# KiCad board rabbit_mask_capacitors.kicad_pcb (continued)
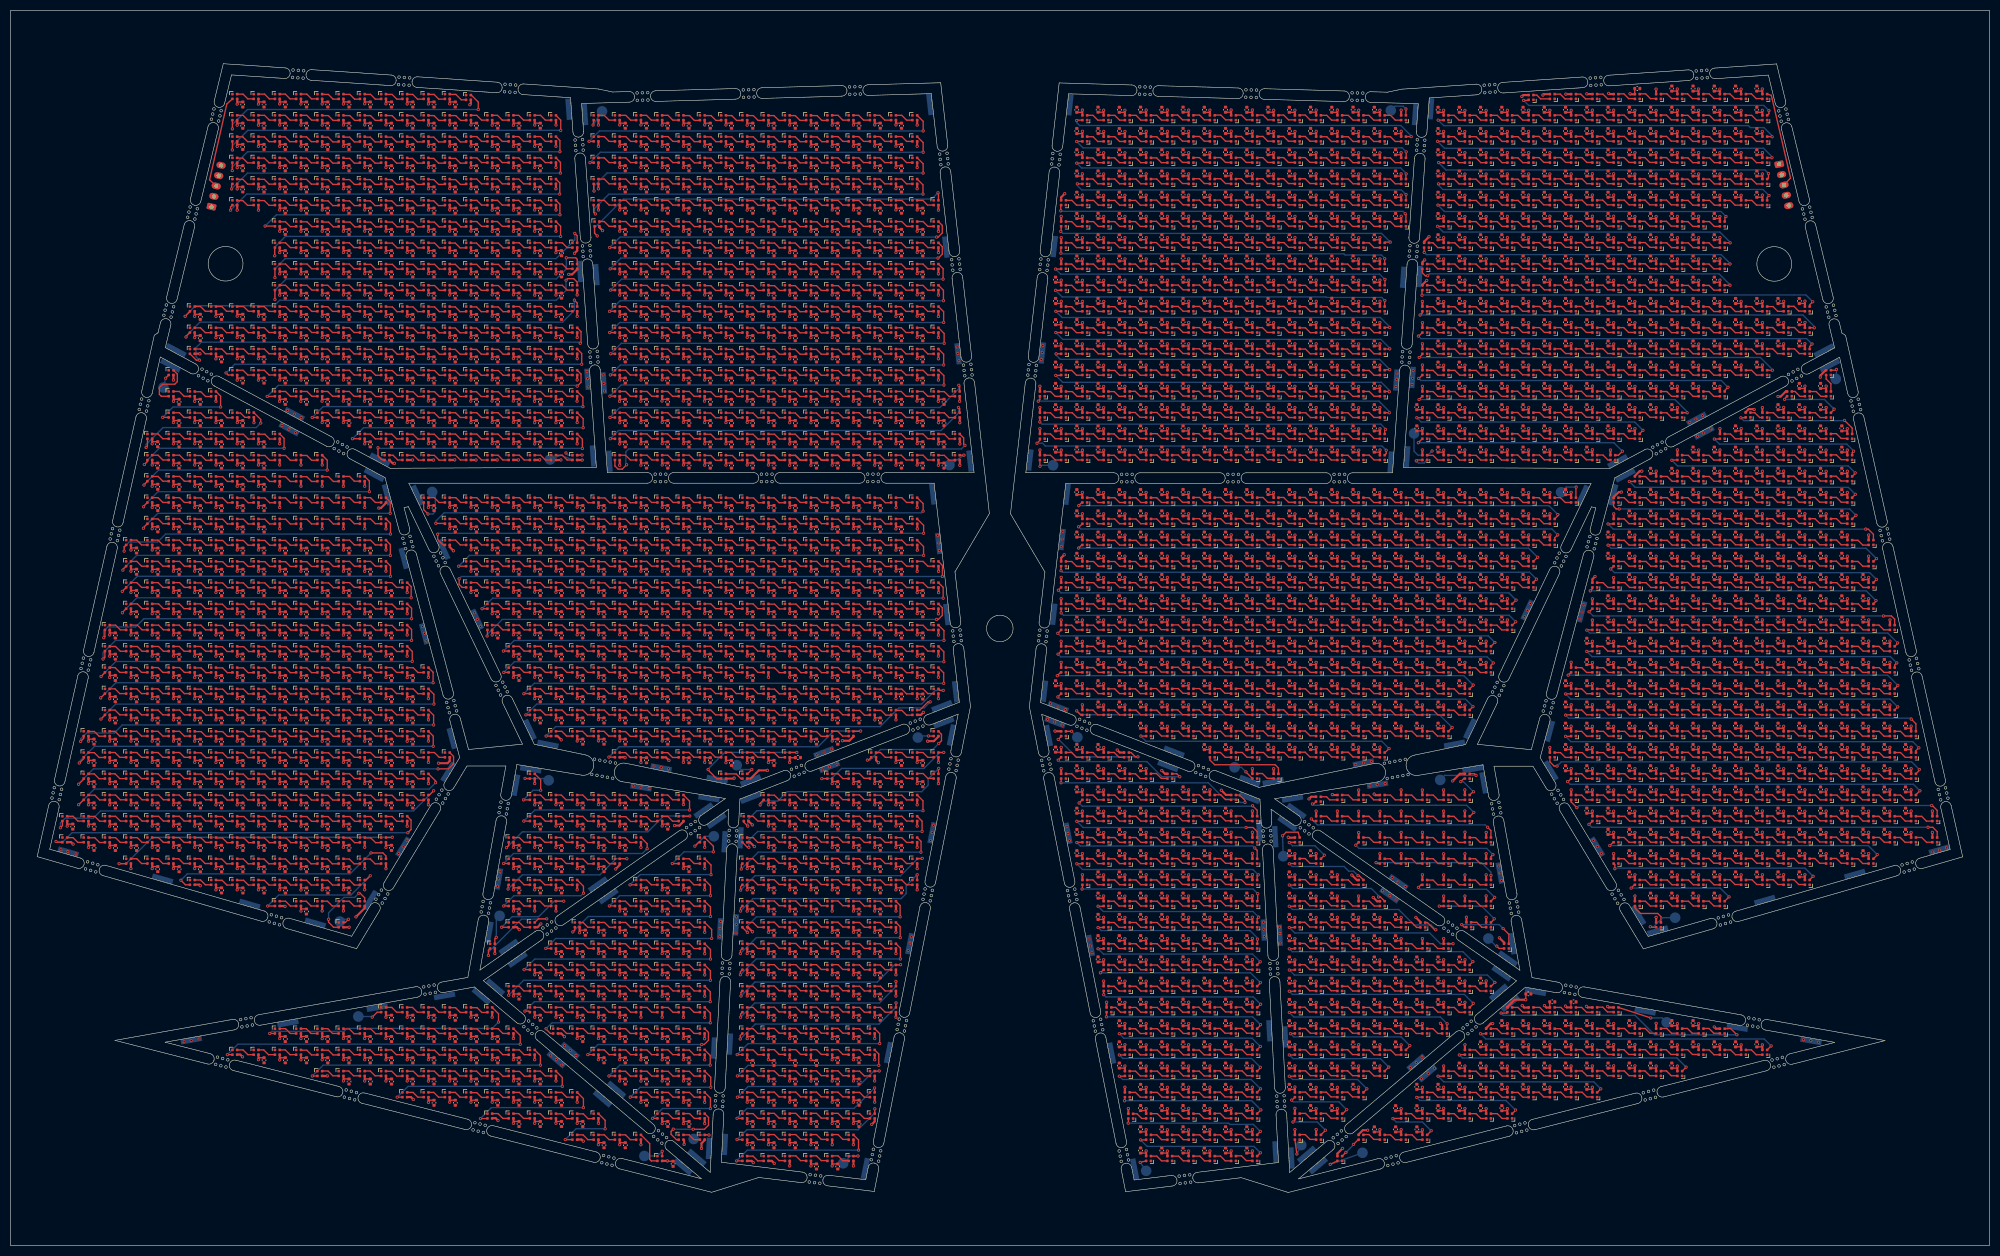
[diagram p0: board, top side]
## Placement (name value [footprint] x y rotation side) (continued)
D1023  SK6812-1515  [LED_SK6812_EC15_1.5x1.5mm]  174.2 96.36 0 top
D1024  SK6812-1515  [LED_SK6812_EC15_1.5x1.5mm]  14.2 92.36 0 top
D1025  SK6812-1515  [LED_SK6812_EC15_1.5x1.5mm]  18.2 92.36 0 top
D1026  SK6812-1515  [LED_SK6812_EC15_1.5x1.5mm]  22.2 92.36 0 top
D1027  SK6812-1515  [LED_SK6812_EC15_1.5x1.5mm]  26.2 92.36 0 top
D1028  SK6812-1515  [LED_SK6812_EC15_1.5x1.5mm]  30.2 92.36 0 top
D1029  SK6812-1515  [LED_SK6812_EC15_1.5x1.5mm]  34.2 92.36 0 top
D1030  SK6812-1515  [LED_SK6812_EC15_1.5x1.5mm]  38.2 92.36 0 top
D1031  SK6812-1515  [LED_SK6812_EC15_1.5x1.5mm]  42.2 92.36 0 top
D1032  SK6812-1515  [LED_SK6812_EC15_1.5x1.5mm]  46.2 92.36 0 top
D1033  SK6812-1515  [LED_SK6812_EC15_1.5x1.5mm]  50.2 92.36 0 top
D1034  SK6812-1515  [LED_SK6812_EC15_1.5x1.5mm]  54.2 92.36 0 top
D1035  SK6812-1515  [LED_SK6812_EC15_1.5x1.5mm]  58.2 92.36 0 top
D1036  SK6812-1515  [LED_SK6812_EC15_1.5x1.5mm]  62.2 92.36 0 top
D1037  SK6812-1515  [LED_SK6812_EC15_1.5x1.5mm]  66.2 92.36 0 top
D1038  SK6812-1515  [LED_SK6812_EC15_1.5x1.5mm]  70.2 92.36 0 top
D1039  SK6812-1515  [LED_SK6812_EC15_1.5x1.5mm]  74.2 92.36 0 top
D1040  SK6812-1515  [LED_SK6812_EC15_1.5x1.5mm]  78.2 92.36 0 top
D1041  SK6812-1515  [LED_SK6812_EC15_1.5x1.5mm]  82.2 92.36 0 top
D1042  SK6812-1515  [LED_SK6812_EC15_1.5x1.5mm]  114.2 92.36 0 top
D1043  SK6812-1515  [LED_SK6812_EC15_1.5x1.5mm]  118.2 92.36 0 top
D1044  SK6812-1515  [LED_SK6812_EC15_1.5x1.5mm]  122.2 92.36 0 top
D1045  SK6812-1515  [LED_SK6812_EC15_1.5x1.5mm]  126.2 92.36 0 top
D1046  SK6812-1515  [LED_SK6812_EC15_1.5x1.5mm]  130.2 92.36 0 top
D1047  SK6812-1515  [LED_SK6812_EC15_1.5x1.5mm]  134.2 92.36 0 top
D1048  SK6812-1515  [LED_SK6812_EC15_1.5x1.5mm]  138.2 92.36 0 top
D1049  SK6812-1515  [LED_SK6812_EC15_1.5x1.5mm]  142.2 92.36 0 top
D1050  SK6812-1515  [LED_SK6812_EC15_1.5x1.5mm]  146.2 92.36 0 top
D1051  SK6812-1515  [LED_SK6812_EC15_1.5x1.5mm]  162.45 92.36 0 top
D1052  SK6812-1515  [LED_SK6812_EC15_1.5x1.5mm]  166.2 92.36 0 top
D1053  SK6812-1515  [LED_SK6812_EC15_1.5x1.5mm]  170.2 92.36 0 top
D1054  SK6812-1515  [LED_SK6812_EC15_1.5x1.5mm]  174.2 92.36 0 top
D1055  SK6812-1515  [LED_SK6812_EC15_1.5x1.5mm]  14.2 88.36 0 top
D1056  SK6812-1515  [LED_SK6812_EC15_1.5x1.5mm]  18.2 88.36 0 top
D1057  SK6812-1515  [LED_SK6812_EC15_1.5x1.5mm]  22.2 88.36 0 top
D1058  SK6812-1515  [LED_SK6812_EC15_1.5x1.5mm]  26.2 88.36 0 top
D1059  SK6812-1515  [LED_SK6812_EC15_1.5x1.5mm]  30.2 88.36 0 top
D1060  SK6812-1515  [LED_SK6812_EC15_1.5x1.5mm]  34.2 88.36 0 top
D1061  SK6812-1515  [LED_SK6812_EC15_1.5x1.5mm]  38.2 88.36 0 top
D1062  SK6812-1515  [LED_SK6812_EC15_1.5x1.5mm]  42.2 88.36 0 top
D1063  SK6812-1515  [LED_SK6812_EC15_1.5x1.5mm]  46.2 88.36 0 top
D1064  SK6812-1515  [LED_SK6812_EC15_1.5x1.5mm]  50.2 88.36 0 top
D1065  SK6812-1515  [LED_SK6812_EC15_1.5x1.5mm]  54.2 88.36 0 top
D1066  SK6812-1515  [LED_SK6812_EC15_1.5x1.5mm]  58.2 88.36 0 top
D1067  SK6812-1515  [LED_SK6812_EC15_1.5x1.5mm]  62.2 88.36 0 top
D1068  SK6812-1515  [LED_SK6812_EC15_1.5x1.5mm]  66.2 88.36 0 top
D1069  SK6812-1515  [LED_SK6812_EC15_1.5x1.5mm]  70.2 88.36 0 top
D1070  SK6812-1515  [LED_SK6812_EC15_1.5x1.5mm]  74.2 88.36 0 top
D1071  SK6812-1515  [LED_SK6812_EC15_1.5x1.5mm]  78.2 88.36 0 top
D1072  SK6812-1515  [LED_SK6812_EC15_1.5x1.5mm]  98.2 88.36 0 top
D1073  SK6812-1515  [LED_SK6812_EC15_1.5x1.5mm]  134.2 88.36 0 top
D1074  SK6812-1515  [LED_SK6812_EC15_1.5x1.5mm]  138.2 88.36 0 top
D1075  SK6812-1515  [LED_SK6812_EC15_1.5x1.5mm]  154.2 88.36 0 top
D1076  SK6812-1515  [LED_SK6812_EC15_1.5x1.5mm]  158.2 88.36 0 top
D1077  SK6812-1515  [LED_SK6812_EC15_1.5x1.5mm]  162.2 88.36 0 top
D1078  SK6812-1515  [LED_SK6812_EC15_1.5x1.5mm]  166.2 88.36 0 top
D1079  SK6812-1515  [LED_SK6812_EC15_1.5x1.5mm]  170.2 88.36 0 top
D1080  SK6812-1515  [LED_SK6812_EC15_1.5x1.5mm]  174.2 88.36 0 top
D1081  SK6812-1515  [LED_SK6812_EC15_1.5x1.5mm]  14.2 84.36 0 top
D1082  SK6812-1515  [LED_SK6812_EC15_1.5x1.5mm]  18.2 84.36 0 top
D1083  SK6812-1515  [LED_SK6812_EC15_1.5x1.5mm]  22.2 84.36 0 top
D1084  SK6812-1515  [LED_SK6812_EC15_1.5x1.5mm]  26.2 84.36 0 top
D1085  SK6812-1515  [LED_SK6812_EC15_1.5x1.5mm]  30.2 84.36 0 top
D1086  SK6812-1515  [LED_SK6812_EC15_1.5x1.5mm]  34.2 84.36 0 top
D1087  SK6812-1515  [LED_SK6812_EC15_1.5x1.5mm]  38.2 84.36 0 top
D1088  SK6812-1515  [LED_SK6812_EC15_1.5x1.5mm]  42.2 84.36 0 top
D1089  SK6812-1515  [LED_SK6812_EC15_1.5x1.5mm]  46.2 84.36 0 top
D1090  SK6812-1515  [LED_SK6812_EC15_1.5x1.5mm]  50.2 84.36 0 top
D1091  SK6812-1515  [LED_SK6812_EC15_1.5x1.5mm]  54.2 84.36 0 top
D1092  SK6812-1515  [LED_SK6812_EC15_1.5x1.5mm]  58.2 84.36 0 top
D1093  SK6812-1515  [LED_SK6812_EC15_1.5x1.5mm]  62.2 84.36 0 top
D1094  SK6812-1515  [LED_SK6812_EC15_1.5x1.5mm]  66.2 84.36 0 top
D1095  SK6812-1515  [LED_SK6812_EC15_1.5x1.5mm]  70.2 84.36 0 top
D1096  SK6812-1515  [LED_SK6812_EC15_1.5x1.5mm]  74.2 84.36 0 top
D1097  SK6812-1515  [LED_SK6812_EC15_1.5x1.5mm]  78.2 84.36 0 top
D1098  SK6812-1515  [LED_SK6812_EC15_1.5x1.5mm]  98.2 84.36 0 top
D1099  SK6812-1515  [LED_SK6812_EC15_1.5x1.5mm]  102.2 84.36 0 top
D1100  SK6812-1515  [LED_SK6812_EC15_1.5x1.5mm]  106.2 84.36 0 top
D1101  SK6812-1515  [LED_SK6812_EC15_1.5x1.5mm]  110.2 84.36 0 top
D1102  SK6812-1515  [LED_SK6812_EC15_1.5x1.5mm]  114.2 84.36 0 top
D1103  SK6812-1515  [LED_SK6812_EC15_1.5x1.5mm]  118.2 84.36 0 top
D1104  SK6812-1515  [LED_SK6812_EC15_1.5x1.5mm]  122.2 84.36 0 top
D1105  SK6812-1515  [LED_SK6812_EC15_1.5x1.5mm]  126.2 84.36 0 top
D1106  SK6812-1515  [LED_SK6812_EC15_1.5x1.5mm]  142.2 84.36 0 top
D1107  SK6812-1515  [LED_SK6812_EC15_1.5x1.5mm]  146.2 84.36 0 top
D1108  SK6812-1515  [LED_SK6812_EC15_1.5x1.5mm]  150.2 84.36 0 top
D1109  SK6812-1515  [LED_SK6812_EC15_1.5x1.5mm]  154.2 84.36 0 top
D1110  SK6812-1515  [LED_SK6812_EC15_1.5x1.5mm]  158.2 84.36 0 top
D1111  SK6812-1515  [LED_SK6812_EC15_1.5x1.5mm]  162.2 84.36 0 top
D1112  SK6812-1515  [LED_SK6812_EC15_1.5x1.5mm]  166.2 84.36 0 top
D1113  SK6812-1515  [LED_SK6812_EC15_1.5x1.5mm]  170.2 84.36 0 top
D1114  SK6812-1515  [LED_SK6812_EC15_1.5x1.5mm]  10.2 80.36 0 top
D1115  SK6812-1515  [LED_SK6812_EC15_1.5x1.5mm]  14.2 80.36 0 top
D1116  SK6812-1515  [LED_SK6812_EC15_1.5x1.5mm]  18.2 80.36 0 top
D1117  SK6812-1515  [LED_SK6812_EC15_1.5x1.5mm]  22.2 80.36 0 top
D1118  SK6812-1515  [LED_SK6812_EC15_1.5x1.5mm]  26.2 80.36 0 top
D1119  SK6812-1515  [LED_SK6812_EC15_1.5x1.5mm]  30.2 80.36 0 top
D1120  SK6812-1515  [LED_SK6812_EC15_1.5x1.5mm]  34.2 80.36 0 top
D1121  SK6812-1515  [LED_SK6812_EC15_1.5x1.5mm]  38.2 80.36 0 top
D1122  SK6812-1515  [LED_SK6812_EC15_1.5x1.5mm]  42.2 80.36 0 top
D1123  SK6812-1515  [LED_SK6812_EC15_1.5x1.5mm]  46.2 80.36 0 top
D1124  SK6812-1515  [LED_SK6812_EC15_1.5x1.5mm]  50.2 80.36 0 top
D1125  SK6812-1515  [LED_SK6812_EC15_1.5x1.5mm]  54.2 80.36 0 top
D1126  SK6812-1515  [LED_SK6812_EC15_1.5x1.5mm]  58.2 80.36 0 top
D1127  SK6812-1515  [LED_SK6812_EC15_1.5x1.5mm]  62.2 80.36 0 top
D1128  SK6812-1515  [LED_SK6812_EC15_1.5x1.5mm]  66.2 80.36 0 top
D1129  SK6812-1515  [LED_SK6812_EC15_1.5x1.5mm]  70.2 80.36 0 top
D1130  SK6812-1515  [LED_SK6812_EC15_1.5x1.5mm]  74.2 80.36 0 top
D1131  SK6812-1515  [LED_SK6812_EC15_1.5x1.5mm]  98.2 80.36 0 top
D1132  SK6812-1515  [LED_SK6812_EC15_1.5x1.5mm]  102.2 80.36 0 top
D1133  SK6812-1515  [LED_SK6812_EC15_1.5x1.5mm]  106.2 80.36 0 top
D1134  SK6812-1515  [LED_SK6812_EC15_1.5x1.5mm]  110.2 80.36 0 top
D1135  SK6812-1515  [LED_SK6812_EC15_1.5x1.5mm]  114.2 80.36 0 top
D1136  SK6812-1515  [LED_SK6812_EC15_1.5x1.5mm]  118.2 80.36 0 top
D1137  SK6812-1515  [LED_SK6812_EC15_1.5x1.5mm]  122.2 80.36 0 top
D1138  SK6812-1515  [LED_SK6812_EC15_1.5x1.5mm]  126.2 80.36 0 top
D1139  SK6812-1515  [LED_SK6812_EC15_1.5x1.5mm]  138.45 80.36 0 top
D1140  SK6812-1515  [LED_SK6812_EC15_1.5x1.5mm]  142.2 80.36 0 top
D1141  SK6812-1515  [LED_SK6812_EC15_1.5x1.5mm]  146.2 80.36 0 top
D1142  SK6812-1515  [LED_SK6812_EC15_1.5x1.5mm]  150.2 80.36 0 top
D1143  SK6812-1515  [LED_SK6812_EC15_1.5x1.5mm]  154.2 80.36 0 top
D1144  SK6812-1515  [LED_SK6812_EC15_1.5x1.5mm]  158.2 80.36 0 top
D1145  SK6812-1515  [LED_SK6812_EC15_1.5x1.5mm]  162.2 80.36 0 top
D1146  SK6812-1515  [LED_SK6812_EC15_1.5x1.5mm]  166.2 80.36 0 top
D1147  SK6812-1515  [LED_SK6812_EC15_1.5x1.5mm]  170.2 80.36 0 top
D1148  SK6812-1515  [LED_SK6812_EC15_1.5x1.5mm]  10.2 76.36 0 top
D1149  SK6812-1515  [LED_SK6812_EC15_1.5x1.5mm]  14.2 76.36 0 top
D1150  SK6812-1515  [LED_SK6812_EC15_1.5x1.5mm]  18.2 76.36 0 top
D1151  SK6812-1515  [LED_SK6812_EC15_1.5x1.5mm]  22.2 76.36 0 top
D1152  SK6812-1515  [LED_SK6812_EC15_1.5x1.5mm]  26.2 76.36 0 top
D1153  SK6812-1515  [LED_SK6812_EC15_1.5x1.5mm]  30.2 76.36 0 top
D1154  SK6812-1515  [LED_SK6812_EC15_1.5x1.5mm]  34.2 76.36 0 top
D1155  SK6812-1515  [LED_SK6812_EC15_1.5x1.5mm]  38.2 76.36 0 top
D1156  SK6812-1515  [LED_SK6812_EC15_1.5x1.5mm]  42.2 76.36 0 top
D1157  SK6812-1515  [LED_SK6812_EC15_1.5x1.5mm]  46.2 76.36 0 top
D1158  SK6812-1515  [LED_SK6812_EC15_1.5x1.5mm]  50.2 76.36 0 top
D1159  SK6812-1515  [LED_SK6812_EC15_1.5x1.5mm]  54.2 76.36 0 top
D1160  SK6812-1515  [LED_SK6812_EC15_1.5x1.5mm]  58.2 76.36 0 top
D1161  SK6812-1515  [LED_SK6812_EC15_1.5x1.5mm]  62.2 76.36 0 top
D1162  SK6812-1515  [LED_SK6812_EC15_1.5x1.5mm]  66.2 76.36 0 top
D1163  SK6812-1515  [LED_SK6812_EC15_1.5x1.5mm]  70.2 76.36 0 top
D1164  SK6812-1515  [LED_SK6812_EC15_1.5x1.5mm]  94.2 76.36 0 top
D1165  SK6812-1515  [LED_SK6812_EC15_1.5x1.5mm]  98.2 76.36 0 top
D1166  SK6812-1515  [LED_SK6812_EC15_1.5x1.5mm]  102.2 76.36 0 top
D1167  SK6812-1515  [LED_SK6812_EC15_1.5x1.5mm]  106.2 76.36 0 top
D1168  SK6812-1515  [LED_SK6812_EC15_1.5x1.5mm]  110.2 76.36 0 top
D1169  SK6812-1515  [LED_SK6812_EC15_1.5x1.5mm]  114.2 76.36 0 top
D1170  SK6812-1515  [LED_SK6812_EC15_1.5x1.5mm]  118.2 76.36 0 top
D1171  SK6812-1515  [LED_SK6812_EC15_1.5x1.5mm]  130.2 76.36 0 top
D1172  SK6812-1515  [LED_SK6812_EC15_1.5x1.5mm]  138.2 76.36 0 top
D1173  SK6812-1515  [LED_SK6812_EC15_1.5x1.5mm]  142.2 76.36 0 top
D1174  SK6812-1515  [LED_SK6812_EC15_1.5x1.5mm]  146.2 76.36 0 top
D1175  SK6812-1515  [LED_SK6812_EC15_1.5x1.5mm]  150.2 76.36 0 top
D1176  SK6812-1515  [LED_SK6812_EC15_1.5x1.5mm]  154.2 76.36 0 top
D1177  SK6812-1515  [LED_SK6812_EC15_1.5x1.5mm]  158.2 76.36 0 top
D1178  SK6812-1515  [LED_SK6812_EC15_1.5x1.5mm]  162.2 76.36 0 top
D1179  SK6812-1515  [LED_SK6812_EC15_1.5x1.5mm]  166.2 76.36 0 top
D1180  SK6812-1515  [LED_SK6812_EC15_1.5x1.5mm]  170.2 76.36 0 top
D1181  SK6812-1515  [LED_SK6812_EC15_1.5x1.5mm]  22.2 72.36 0 top
D1182  SK6812-1515  [LED_SK6812_EC15_1.5x1.5mm]  26.2 72.36 0 top
D1183  SK6812-1515  [LED_SK6812_EC15_1.5x1.5mm]  30.2 72.36 0 top
D1184  SK6812-1515  [LED_SK6812_EC15_1.5x1.5mm]  34.2 72.36 0 top
D1185  SK6812-1515  [LED_SK6812_EC15_1.5x1.5mm]  38.2 72.36 0 top
D1186  SK6812-1515  [LED_SK6812_EC15_1.5x1.5mm]  42.2 72.36 0 top
D1187  SK6812-1515  [LED_SK6812_EC15_1.5x1.5mm]  46.2 72.36 0 top
D1188  SK6812-1515  [LED_SK6812_EC15_1.5x1.5mm]  50.2 72.36 0 top
D1189  SK6812-1515  [LED_SK6812_EC15_1.5x1.5mm]  54.2 72.36 0 top
D1190  SK6812-1515  [LED_SK6812_EC15_1.5x1.5mm]  58.2 72.36 0 top
D1191  SK6812-1515  [LED_SK6812_EC15_1.5x1.5mm]  62.2 72.36 0 top
D1192  SK6812-1515  [LED_SK6812_EC15_1.5x1.5mm]  66.2 72.36 0 top
D1193  SK6812-1515  [LED_SK6812_EC15_1.5x1.5mm]  70.2 72.36 0 top
D1194  SK6812-1515  [LED_SK6812_EC15_1.5x1.5mm]  94.2 72.36 0 top
D1195  SK6812-1515  [LED_SK6812_EC15_1.5x1.5mm]  98.2 72.36 0 top
D1196  SK6812-1515  [LED_SK6812_EC15_1.5x1.5mm]  102.2 72.36 0 top
D1197  SK6812-1515  [LED_SK6812_EC15_1.5x1.5mm]  106.2 72.36 0 top
D1198  SK6812-1515  [LED_SK6812_EC15_1.5x1.5mm]  110.2 72.36 0 top
D1199  SK6812-1515  [LED_SK6812_EC15_1.5x1.5mm]  114.2 72.36 0 top
D1200  SK6812-1515  [LED_SK6812_EC15_1.5x1.5mm]  126.2 72.36 0 top
D1201  SK6812-1515  [LED_SK6812_EC15_1.5x1.5mm]  130.2 72.36 0 top
D1202  SK6812-1515  [LED_SK6812_EC15_1.5x1.5mm]  138.2 72.36 0 top
D1203  SK6812-1515  [LED_SK6812_EC15_1.5x1.5mm]  142.2 72.36 0 top
D1204  SK6812-1515  [LED_SK6812_EC15_1.5x1.5mm]  146.2 72.36 0 top
D1205  SK6812-1515  [LED_SK6812_EC15_1.5x1.5mm]  150.2 72.36 0 top
D1206  SK6812-1515  [LED_SK6812_EC15_1.5x1.5mm]  154.2 72.36 0 top
D1207  SK6812-1515  [LED_SK6812_EC15_1.5x1.5mm]  158.2 72.36 0 top
D1208  SK6812-1515  [LED_SK6812_EC15_1.5x1.5mm]  162.2 72.36 0 top
D1209  SK6812-1515  [LED_SK6812_EC15_1.5x1.5mm]  166.2 72.36 0 top
D1210  SK6812-1515  [LED_SK6812_EC15_1.5x1.5mm]  170.2 72.36 0 top
D1211  SK6812-1515  [LED_SK6812_EC15_1.5x1.5mm]  34.2 68.36 0 top
D1212  SK6812-1515  [LED_SK6812_EC15_1.5x1.5mm]  38.2 68.36 0 top
D1213  SK6812-1515  [LED_SK6812_EC15_1.5x1.5mm]  42.2 68.36 0 top
D1214  SK6812-1515  [LED_SK6812_EC15_1.5x1.5mm]  46.2 68.36 0 top
D1215  SK6812-1515  [LED_SK6812_EC15_1.5x1.5mm]  50.2 68.36 0 top
D1216  SK6812-1515  [LED_SK6812_EC15_1.5x1.5mm]  54.2 68.36 0 top
D1217  SK6812-1515  [LED_SK6812_EC15_1.5x1.5mm]  58.2 68.36 0 top
D1218  SK6812-1515  [LED_SK6812_EC15_1.5x1.5mm]  62.2 68.36 0 top
D1219  SK6812-1515  [LED_SK6812_EC15_1.5x1.5mm]  66.2 68.36 0 top
D1220  SK6812-1515  [LED_SK6812_EC15_1.5x1.5mm]  94.2 68.36 0 top
D1221  SK6812-1515  [LED_SK6812_EC15_1.5x1.5mm]  98.2 68.36 0 top
D1222  SK6812-1515  [LED_SK6812_EC15_1.5x1.5mm]  102.2 68.36 0 top
D1223  SK6812-1515  [LED_SK6812_EC15_1.5x1.5mm]  106.2 68.36 0 top
D1224  SK6812-1515  [LED_SK6812_EC15_1.5x1.5mm]  118.2 68.36 0 top
D1225  SK6812-1515  [LED_SK6812_EC15_1.5x1.5mm]  122.2 68.36 0 top
D1226  SK6812-1515  [LED_SK6812_EC15_1.5x1.5mm]  126.2 68.36 0 top
D1227  SK6812-1515  [LED_SK6812_EC15_1.5x1.5mm]  130.2 68.36 0 top
D1228  SK6812-1515  [LED_SK6812_EC15_1.5x1.5mm]  138.2 68.36 0 top
D1229  SK6812-1515  [LED_SK6812_EC15_1.5x1.5mm]  142.2 68.36 0 top
D1230  SK6812-1515  [LED_SK6812_EC15_1.5x1.5mm]  146.2 68.36 0 top
D1231  SK6812-1515  [LED_SK6812_EC15_1.5x1.5mm]  150.2 68.36 0 top
D1232  SK6812-1515  [LED_SK6812_EC15_1.5x1.5mm]  154.2 68.36 0 top
D1233  SK6812-1515  [LED_SK6812_EC15_1.5x1.5mm]  158.2 68.36 0 top
D1234  SK6812-1515  [LED_SK6812_EC15_1.5x1.5mm]  162.2 68.36 0 top
D1235  SK6812-1515  [LED_SK6812_EC15_1.5x1.5mm]  166.2 68.36 0 top
D1236  SK6812-1515  [LED_SK6812_EC15_1.5x1.5mm]  170.2 68.36 0 top
D1237  SK6812-1515  [LED_SK6812_EC15_1.5x1.5mm]  50.2 64.36 0 top
D1238  SK6812-1515  [LED_SK6812_EC15_1.5x1.5mm]  54.2 64.36 0 top
D1239  SK6812-1515  [LED_SK6812_EC15_1.5x1.5mm]  58.2 64.36 0 top
D1240  SK6812-1515  [LED_SK6812_EC15_1.5x1.5mm]  62.2 64.36 0 top
D1241  SK6812-1515  [LED_SK6812_EC15_1.5x1.5mm]  66.2 64.36 0 top
D1242  SK6812-1515  [LED_SK6812_EC15_1.5x1.5mm]  94.2 64.36 0 top
D1243  SK6812-1515  [LED_SK6812_EC15_1.5x1.5mm]  98.2 64.36 0 top
D1244  SK6812-1515  [LED_SK6812_EC15_1.5x1.5mm]  102.2 64.36 0 top
D1245  SK6812-1515  [LED_SK6812_EC15_1.5x1.5mm]  114.2 64.36 0 top
D1246  SK6812-1515  [LED_SK6812_EC15_1.5x1.5mm]  118.2 64.36 0 top
D1247  SK6812-1515  [LED_SK6812_EC15_1.5x1.5mm]  122.2 64.36 0 top
D1248  SK6812-1515  [LED_SK6812_EC15_1.5x1.5mm]  126.2 64.36 0 top
D1249  SK6812-1515  [LED_SK6812_EC15_1.5x1.5mm]  130.2 64.36 0 top
D1250  SK6812-1515  [LED_SK6812_EC15_1.5x1.5mm]  138.2 64.36 0 top
D1251  SK6812-1515  [LED_SK6812_EC15_1.5x1.5mm]  142.2 64.36 0 top
D1252  SK6812-1515  [LED_SK6812_EC15_1.5x1.5mm]  146.2 64.36 0 top
D1253  SK6812-1515  [LED_SK6812_EC15_1.5x1.5mm]  150.2 64.36 0 top
D1254  SK6812-1515  [LED_SK6812_EC15_1.5x1.5mm]  154.2 64.36 0 top
D1255  SK6812-1515  [LED_SK6812_EC15_1.5x1.5mm]  158.2 64.36 0 top
D1256  SK6812-1515  [LED_SK6812_EC15_1.5x1.5mm]  162.2 64.36 0 top
D1257  SK6812-1515  [LED_SK6812_EC15_1.5x1.5mm]  166.2 64.36 0 top
D1258  SK6812-1515  [LED_SK6812_EC15_1.5x1.5mm]  62.2 60.36 0 top
D1259  SK6812-1515  [LED_SK6812_EC15_1.5x1.5mm]  94.2 60.36 0 top
D1260  SK6812-1515  [LED_SK6812_EC15_1.5x1.5mm]  98.2 60.36 0 top
D1261  SK6812-1515  [LED_SK6812_EC15_1.5x1.5mm]  106.65 60.36 0 top
D1262  SK6812-1515  [LED_SK6812_EC15_1.5x1.5mm]  110.2 60.36 0 top
D1263  SK6812-1515  [LED_SK6812_EC15_1.5x1.5mm]  114.2 60.36 0 top
D1264  SK6812-1515  [LED_SK6812_EC15_1.5x1.5mm]  118.2 60.36 0 top
D1265  SK6812-1515  [LED_SK6812_EC15_1.5x1.5mm]  122.2 60.36 0 top
D1266  SK6812-1515  [LED_SK6812_EC15_1.5x1.5mm]  126.2 60.36 0 top
D1267  SK6812-1515  [LED_SK6812_EC15_1.5x1.5mm]  130.2 60.36 0 top
D1268  SK6812-1515  [LED_SK6812_EC15_1.5x1.5mm]  138.2 60.36 0 top
D1269  SK6812-1515  [LED_SK6812_EC15_1.5x1.5mm]  142.2 60.36 0 top
D1270  SK6812-1515  [LED_SK6812_EC15_1.5x1.5mm]  146.2 60.36 0 top
D1271  SK6812-1515  [LED_SK6812_EC15_1.5x1.5mm]  150.2 60.36 0 top
D1272  SK6812-1515  [LED_SK6812_EC15_1.5x1.5mm]  154.2 60.36 0 top
D1273  SK6812-1515  [LED_SK6812_EC15_1.5x1.5mm]  158.2 60.36 0 top
D1274  SK6812-1515  [LED_SK6812_EC15_1.5x1.5mm]  162.2 60.36 0 top
D1275  SK6812-1515  [LED_SK6812_EC15_1.5x1.5mm]  166.2 60.36 0 top
D1276  SK6812-1515  [LED_SK6812_EC15_1.5x1.5mm]  90.7 56.36 0 top
D1277  SK6812-1515  [LED_SK6812_EC15_1.5x1.5mm]  102.2 56.36 0 top
D1278  SK6812-1515  [LED_SK6812_EC15_1.5x1.5mm]  106.2 56.36 0 top
D1279  SK6812-1515  [LED_SK6812_EC15_1.5x1.5mm]  110.2 56.36 0 top
D1280  SK6812-1515  [LED_SK6812_EC15_1.5x1.5mm]  114.2 56.36 0 top
D1281  SK6812-1515  [LED_SK6812_EC15_1.5x1.5mm]  118.2 56.36 0 top
D1282  SK6812-1515  [LED_SK6812_EC15_1.5x1.5mm]  122.2 56.36 0 top
D1283  SK6812-1515  [LED_SK6812_EC15_1.5x1.5mm]  126.2 56.36 0 top
D1284  SK6812-1515  [LED_SK6812_EC15_1.5x1.5mm]  130.2 56.36 0 top
D1285  SK6812-1515  [LED_SK6812_EC15_1.5x1.5mm]  138.2 56.36 0 top
D1286  SK6812-1515  [LED_SK6812_EC15_1.5x1.5mm]  142.2 56.36 0 top
D1287  SK6812-1515  [LED_SK6812_EC15_1.5x1.5mm]  146.2 56.36 0 top
D1288  SK6812-1515  [LED_SK6812_EC15_1.5x1.5mm]  150.2 56.36 0 top
D1289  SK6812-1515  [LED_SK6812_EC15_1.5x1.5mm]  154.2 56.36 0 top
D1290  SK6812-1515  [LED_SK6812_EC15_1.5x1.5mm]  158.2 56.36 0 top
D1291  SK6812-1515  [LED_SK6812_EC15_1.5x1.5mm]  162.2 56.36 0 top
D1292  SK6812-1515  [LED_SK6812_EC15_1.5x1.5mm]  166.2 56.36 0 top
D1293  SK6812-1515  [LED_SK6812_EC15_1.5x1.5mm]  98.2 52.36 0 top
D1294  SK6812-1515  [LED_SK6812_EC15_1.5x1.5mm]  102.2 52.36 0 top
D1295  SK6812-1515  [LED_SK6812_EC15_1.5x1.5mm]  106.2 52.36 0 top
D1296  SK6812-1515  [LED_SK6812_EC15_1.5x1.5mm]  110.2 52.36 0 top
D1297  SK6812-1515  [LED_SK6812_EC15_1.5x1.5mm]  114.2 52.36 0 top
D1298  SK6812-1515  [LED_SK6812_EC15_1.5x1.5mm]  118.2 52.36 0 top
D1299  SK6812-1515  [LED_SK6812_EC15_1.5x1.5mm]  122.2 52.36 0 top
D1300  SK6812-1515  [LED_SK6812_EC15_1.5x1.5mm]  126.2 52.36 0 top
D1301  SK6812-1515  [LED_SK6812_EC15_1.5x1.5mm]  130.2 52.36 0 top
D1302  SK6812-1515  [LED_SK6812_EC15_1.5x1.5mm]  138.2 52.36 0 top
D1303  SK6812-1515  [LED_SK6812_EC15_1.5x1.5mm]  142.2 52.36 0 top
D1304  SK6812-1515  [LED_SK6812_EC15_1.5x1.5mm]  146.2 52.36 0 top
D1305  SK6812-1515  [LED_SK6812_EC15_1.5x1.5mm]  150.2 52.36 0 top
D1306  SK6812-1515  [LED_SK6812_EC15_1.5x1.5mm]  154.2 52.36 0 top
D1307  SK6812-1515  [LED_SK6812_EC15_1.5x1.5mm]  158.2 52.36 0 top
D1308  SK6812-1515  [LED_SK6812_EC15_1.5x1.5mm]  162.2 52.36 0 top
D1309  SK6812-1515  [LED_SK6812_EC15_1.5x1.5mm]  166.2 52.36 0 top
D1310  SK6812-1515  [LED_SK6812_EC15_1.5x1.5mm]  94.2 48.36 0 top
D1311  SK6812-1515  [LED_SK6812_EC15_1.5x1.5mm]  98.2 48.36 0 top
D1312  SK6812-1515  [LED_SK6812_EC15_1.5x1.5mm]  102.2 48.36 0 top
D1313  SK6812-1515  [LED_SK6812_EC15_1.5x1.5mm]  106.2 48.36 0 top
D1314  SK6812-1515  [LED_SK6812_EC15_1.5x1.5mm]  110.2 48.36 0 top
D1315  SK6812-1515  [LED_SK6812_EC15_1.5x1.5mm]  114.2 48.36 0 top
D1316  SK6812-1515  [LED_SK6812_EC15_1.5x1.5mm]  118.2 48.36 0 top
D1317  SK6812-1515  [LED_SK6812_EC15_1.5x1.5mm]  122.2 48.36 0 top
D1318  SK6812-1515  [LED_SK6812_EC15_1.5x1.5mm]  126.2 48.36 0 top
D1319  SK6812-1515  [LED_SK6812_EC15_1.5x1.5mm]  130.2 48.36 0 top
D1320  SK6812-1515  [LED_SK6812_EC15_1.5x1.5mm]  138.2 48.36 0 top
D1321  SK6812-1515  [LED_SK6812_EC15_1.5x1.5mm]  142.2 48.36 0 top
D1322  SK6812-1515  [LED_SK6812_EC15_1.5x1.5mm]  146.2 48.36 0 top
D1323  SK6812-1515  [LED_SK6812_EC15_1.5x1.5mm]  150.2 48.36 0 top
D1324  SK6812-1515  [LED_SK6812_EC15_1.5x1.5mm]  154.2 48.36 0 top
D1325  SK6812-1515  [LED_SK6812_EC15_1.5x1.5mm]  158.2 48.36 0 top
D1326  SK6812-1515  [LED_SK6812_EC15_1.5x1.5mm]  162.2 48.36 0 top
D1327  SK6812-1515  [LED_SK6812_EC15_1.5x1.5mm]  166.2 48.36 0 top
D1328  SK6812-1515  [LED_SK6812_EC15_1.5x1.5mm]  70.2 44.36 0 top
D1329  SK6812-1515  [LED_SK6812_EC15_1.5x1.5mm]  74.2 44.36 0 top
D1330  SK6812-1515  [LED_SK6812_EC15_1.5x1.5mm]  78.2 44.36 0 top
D1331  SK6812-1515  [LED_SK6812_EC15_1.5x1.5mm]  82.2 44.36 0 top
D1332  SK6812-1515  [LED_SK6812_EC15_1.5x1.5mm]  86.2 44.36 0 top
D1333  SK6812-1515  [LED_SK6812_EC15_1.5x1.5mm]  90.2 44.36 0 top
D1334  SK6812-1515  [LED_SK6812_EC15_1.5x1.5mm]  98.2 44.36 0 top
D1335  SK6812-1515  [LED_SK6812_EC15_1.5x1.5mm]  102.2 44.36 0 top
D1336  SK6812-1515  [LED_SK6812_EC15_1.5x1.5mm]  106.2 44.36 0 top
D1337  SK6812-1515  [LED_SK6812_EC15_1.5x1.5mm]  110.2 44.36 0 top
D1338  SK6812-1515  [LED_SK6812_EC15_1.5x1.5mm]  114.2 44.36 0 top
D1339  SK6812-1515  [LED_SK6812_EC15_1.5x1.5mm]  118.2 44.36 0 top
D1340  SK6812-1515  [LED_SK6812_EC15_1.5x1.5mm]  122.2 44.36 0 top
D1341  SK6812-1515  [LED_SK6812_EC15_1.5x1.5mm]  126.2 44.36 0 top
D1342  SK6812-1515  [LED_SK6812_EC15_1.5x1.5mm]  130.2 44.36 0 top
D1343  SK6812-1515  [LED_SK6812_EC15_1.5x1.5mm]  138.2 44.36 0 top
D1344  SK6812-1515  [LED_SK6812_EC15_1.5x1.5mm]  142.2 44.36 0 top
D1345  SK6812-1515  [LED_SK6812_EC15_1.5x1.5mm]  146.2 44.36 0 top
D1346  SK6812-1515  [LED_SK6812_EC15_1.5x1.5mm]  150.2 44.36 0 top
D1347  SK6812-1515  [LED_SK6812_EC15_1.5x1.5mm]  154.2 44.36 0 top
D1348  SK6812-1515  [LED_SK6812_EC15_1.5x1.5mm]  158.2 44.36 0 top
D1349  SK6812-1515  [LED_SK6812_EC15_1.5x1.5mm]  162.2 44.36 0 top
D1350  SK6812-1515  [LED_SK6812_EC15_1.5x1.5mm]  166.2 44.36 0 top
D1351  SK6812-1515  [LED_SK6812_EC15_1.5x1.5mm]  50.2 40.36 0 top
D1352  SK6812-1515  [LED_SK6812_EC15_1.5x1.5mm]  54.2 40.36 0 top
D1353  SK6812-1515  [LED_SK6812_EC15_1.5x1.5mm]  58.2 40.36 0 top
D1354  SK6812-1515  [LED_SK6812_EC15_1.5x1.5mm]  62.2 40.36 0 top
D1355  SK6812-1515  [LED_SK6812_EC15_1.5x1.5mm]  66.2 40.36 0 top
D1356  SK6812-1515  [LED_SK6812_EC15_1.5x1.5mm]  70.2 40.36 0 top
D1357  SK6812-1515  [LED_SK6812_EC15_1.5x1.5mm]  74.2 40.36 0 top
D1358  SK6812-1515  [LED_SK6812_EC15_1.5x1.5mm]  78.2 40.36 0 top
D1359  SK6812-1515  [LED_SK6812_EC15_1.5x1.5mm]  82.2 40.36 0 top
D1360  SK6812-1515  [LED_SK6812_EC15_1.5x1.5mm]  86.2 40.36 0 top
D1361  SK6812-1515  [LED_SK6812_EC15_1.5x1.5mm]  90.2 40.36 0 top
D1362  SK6812-1515  [LED_SK6812_EC15_1.5x1.5mm]  94.2 40.36 0 top
D1363  SK6812-1515  [LED_SK6812_EC15_1.5x1.5mm]  102.58 40.36 0 top
D1364  SK6812-1515  [LED_SK6812_EC15_1.5x1.5mm]  106.2 40.36 0 top
D1365  SK6812-1515  [LED_SK6812_EC15_1.5x1.5mm]  110.2 40.36 0 top
D1366  SK6812-1515  [LED_SK6812_EC15_1.5x1.5mm]  114.2 40.36 0 top
D1367  SK6812-1515  [LED_SK6812_EC15_1.5x1.5mm]  118.2 40.36 0 top
D1368  SK6812-1515  [LED_SK6812_EC15_1.5x1.5mm]  122.2 40.36 0 top
D1369  SK6812-1515  [LED_SK6812_EC15_1.5x1.5mm]  126.2 40.36 0 top
D1370  SK6812-1515  [LED_SK6812_EC15_1.5x1.5mm]  130.2 40.36 0 top
D1371  SK6812-1515  [LED_SK6812_EC15_1.5x1.5mm]  138.2 40.36 0 top
D1372  SK6812-1515  [LED_SK6812_EC15_1.5x1.5mm]  142.2 40.36 0 top
D1373  SK6812-1515  [LED_SK6812_EC15_1.5x1.5mm]  146.2 40.36 0 top
D1374  SK6812-1515  [LED_SK6812_EC15_1.5x1.5mm]  150.2 40.36 0 top
D1375  SK6812-1515  [LED_SK6812_EC15_1.5x1.5mm]  154.2 40.36 0 top
D1376  SK6812-1515  [LED_SK6812_EC15_1.5x1.5mm]  158.2 40.36 0 top
D1377  SK6812-1515  [LED_SK6812_EC15_1.5x1.5mm]  162.2 40.36 0 top
D1378  SK6812-1515  [LED_SK6812_EC15_1.5x1.5mm]  42.2 36.36 0 top
D1379  SK6812-1515  [LED_SK6812_EC15_1.5x1.5mm]  46.2 36.36 0 top
D1380  SK6812-1515  [LED_SK6812_EC15_1.5x1.5mm]  50.2 36.36 0 top
D1381  SK6812-1515  [LED_SK6812_EC15_1.5x1.5mm]  54.2 36.36 0 top
D1382  SK6812-1515  [LED_SK6812_EC15_1.5x1.5mm]  58.2 36.36 0 top
D1383  SK6812-1515  [LED_SK6812_EC15_1.5x1.5mm]  62.2 36.36 0 top
D1384  SK6812-1515  [LED_SK6812_EC15_1.5x1.5mm]  66.2 36.36 0 top
D1385  SK6812-1515  [LED_SK6812_EC15_1.5x1.5mm]  70.2 36.36 0 top
D1386  SK6812-1515  [LED_SK6812_EC15_1.5x1.5mm]  74.2 36.36 0 top
D1387  SK6812-1515  [LED_SK6812_EC15_1.5x1.5mm]  78.2 36.36 0 top
D1388  SK6812-1515  [LED_SK6812_EC15_1.5x1.5mm]  82.2 36.36 0 top
D1389  SK6812-1515  [LED_SK6812_EC15_1.5x1.5mm]  86.2 36.36 0 top
D1390  SK6812-1515  [LED_SK6812_EC15_1.5x1.5mm]  90.2 36.36 0 top
D1391  SK6812-1515  [LED_SK6812_EC15_1.5x1.5mm]  94.2 36.36 0 top
D1392  SK6812-1515  [LED_SK6812_EC15_1.5x1.5mm]  98.2 36.36 0 top
D1393  SK6812-1515  [LED_SK6812_EC15_1.5x1.5mm]  110.2 36.36 0 top
D1394  SK6812-1515  [LED_SK6812_EC15_1.5x1.5mm]  114.2 36.36 0 top
D1395  SK6812-1515  [LED_SK6812_EC15_1.5x1.5mm]  118.2 36.36 0 top
D1396  SK6812-1515  [LED_SK6812_EC15_1.5x1.5mm]  122.2 36.36 0 top
D1397  SK6812-1515  [LED_SK6812_EC15_1.5x1.5mm]  126.2 36.36 0 top
